# Altium PCB PCB1.pcbdoc (part 2 of 3) (continued)
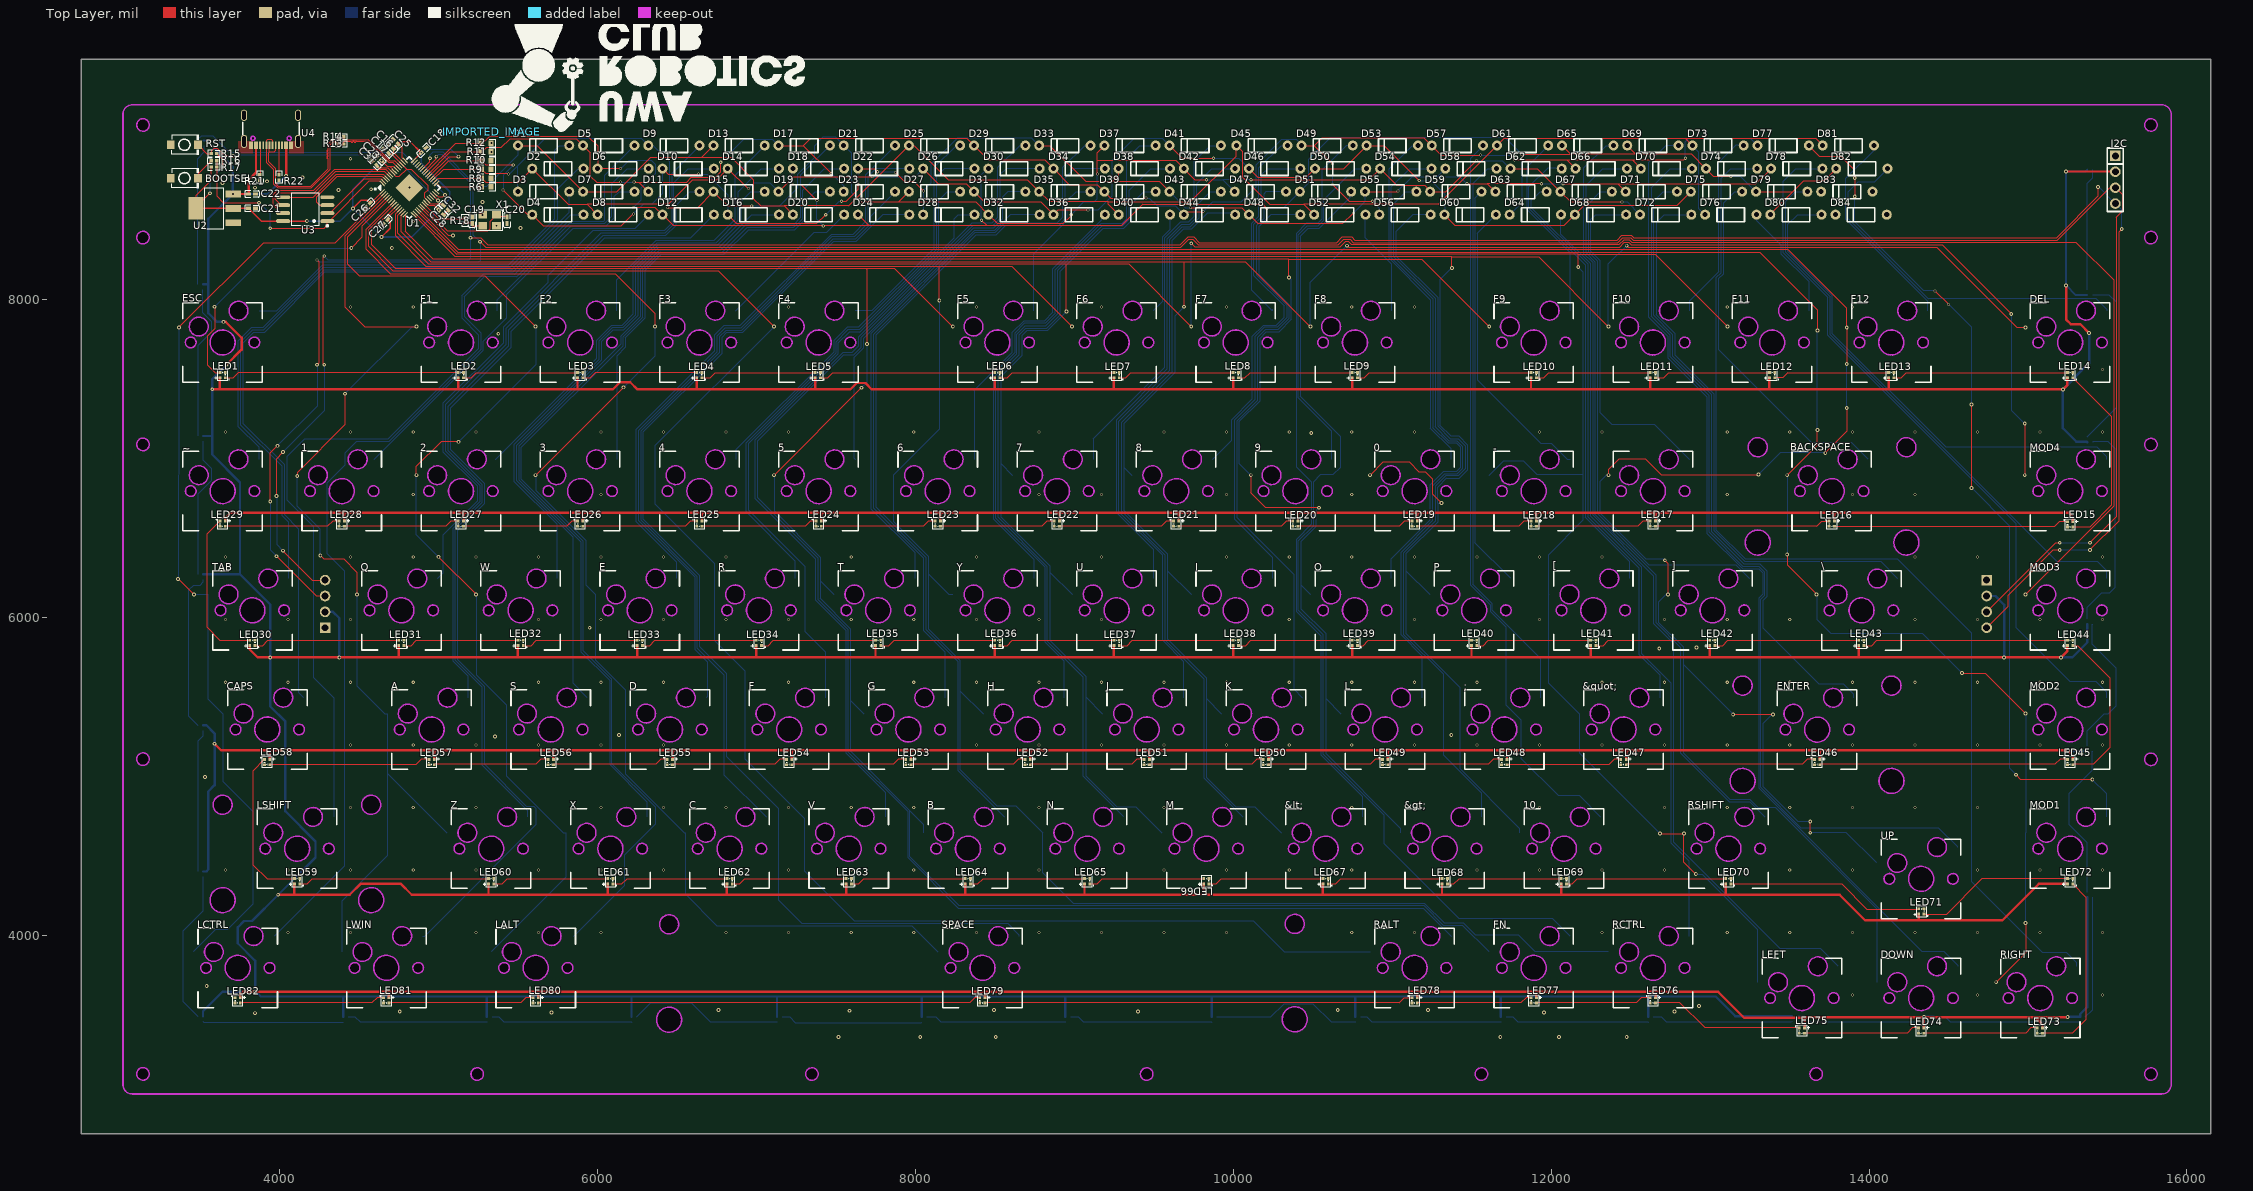
[diagram p0: Top Layer view]
## Nets (pads, with @x,y where several pads share a name; then routed paths per layer and width w, separated by ;. In a path a pad name is that pad's centre, name@x,y a point inside that pad or via, vN(x,y) a via of type N, cw(c..) or ccw(c..) an arc to the next point about the centre after c; other vN are vias at no path point) (continued)
$1N385826: D74.2 SW81.2 | length 6810.5
  Bottom Layer w5: D74.2@13296.42,8822.79 13130,8822.79 13070,8762.79 13070,8167.79 13040,8137.79 13040,6548.73 13225,6363.73 14180,6363.73 14645,5898.73 14645,4336.5 15092.77,3888.73 15245,3888.73 15307.23,3826.51 SW81.2@15307.23,3803.73
$3N114977: LED1.1 LED2.4 | length 1480.4
  Top Layer w5: LED1.1@3656.73,7507.01 3708.28,7507.01 3740,7538.73 5121.54,7538.73 LED2.4@5123.27,7540.46
$3N114980: LED2.1 LED3.4 | length 730.4
  Top Layer w5: LED2.1@5156.73,7507.01 5203.28,7507.01 5235,7538.73 5871.54,7538.73 LED3.4@5873.27,7540.46
$3N114983: LED3.1 LED4.4 | length 730.4
  Top Layer w5: LED3.1@5906.73,7507.01 5953.28,7507.01 5985,7538.73 6621.54,7538.73 LED4.4@6623.27,7540.46
$3N114986: LED4.1 LED5.4 | length 725.4
  Top Layer w5: LED4.1@6656.73,7507.01 6708.28,7507.01 6740,7538.73 7366.54,7538.73 LED5.4@7368.27,7540.46
$3N114989: LED5.1 LED6.4 | length 1110.4
  Top Layer w5: LED5.1@7401.73,7507.01 7448.28,7507.01 7480,7538.73 8496.54,7538.73 LED6.4@8498.27,7540.46
$3N114992: LED6.1 LED7.4 | length 730.4
  Top Layer w5: LED6.1@8531.73,7507.01 8578.28,7507.01 8610,7538.73 9246.54,7538.73 LED7.4@9248.27,7540.46
$3N114995: LED7.1 LED8.4 | length 730.4
  Top Layer w5: LED7.1@9281.73,7507.01 9323.28,7507.01 9355,7538.73 9996.54,7538.73 LED8.4@9998.27,7540.46
$3N114998: LED8.1 LED9.4 | length 730.4
  Top Layer w5: LED8.1@10031.73,7507.01 10073.28,7507.01 10105,7538.73 10746.54,7538.73 LED9.4@10748.27,7540.46
$3N115509: LED10.1 LED11.4 | length 730.4
  Top Layer w5: LED10.1@11906.73,7507.01 11953.28,7507.01 11985,7538.73 12621.54,7538.73 LED11.4@12623.27,7540.46
$3N115511: LED11.1 LED12.4 | length 730.4
  Top Layer w5: LED11.1@12656.73,7507.01 12708.28,7507.01 12740,7538.73 13371.54,7538.73 LED12.4@13373.27,7540.46
$3N115513: LED12.1 LED13.4 | length 730.4
  Top Layer w5: LED12.1@13406.73,7507.01 13458.28,7507.01 13490,7538.73 14121.54,7538.73 LED13.4@14123.27,7540.46
$3N115515: LED13.1 LED14.4 | length 1105.4
  Top Layer w5: LED13.1@14156.73,7507.01 14203.28,7507.01 14235,7538.73 15246.54,7538.73 LED14.4@15248.27,7540.46
$3N115517: LED14.1 LED15.4 | length 1204
  Top Layer w5: LED15.4@15281.73,6567 15388.27,6567 15525,6703.73 15525,7263.74 LED14.1@15281.73,7507.01
$3N115519: LED15.1 LED16.4 | length 1481
  Top Layer w5: LED16.4@13781.73,6572 13785,6568.73 15165,6568.73 15196.72,6600.45 LED15.1@15248.27,6600.45
$3N115521: LED16.1 LED17.4 | length 1105.4
  Top Layer w5: LED17.4@12656.73,6572 12658.46,6573.73 13670,6573.73 13701.72,6605.45 LED16.1@13748.27,6605.45
$3N115523: LED17.1 LED18.4 | length 730.4
  Top Layer w5: LED18.4@11906.73,6572 11908.46,6573.73 12545,6573.73 12576.72,6605.45 LED17.1@12623.27,6605.45
$3N115525: LED18.1 LED19.4 | length 730.4
  Top Layer w5: LED19.4@11156.73,6572 11158.46,6573.73 11795,6573.73 11826.72,6605.45 LED18.1@11873.27,6605.45
$3N116527: LED20.1 LED21.4 | length 730.4
  Top Layer w5: LED21.4@9656.73,6572 9658.46,6573.73 10300,6573.73 10331.72,6605.45 LED20.1@10373.27,6605.45
$3N116529: LED21.1 LED22.4 | length 730.4
  Top Layer w5: LED22.4@8906.73,6572 8908.46,6573.73 9545,6573.73 9576.72,6605.45 LED21.1@9623.27,6605.45
$3N116531: LED22.1 LED23.4 | length 730.4
  Top Layer w5: LED23.4@8156.73,6572 8158.46,6573.73 8795,6573.73 8826.72,6605.45 LED22.1@8873.27,6605.45
$3N116533: LED23.1 LED24.4 | length 730.4
  Top Layer w5: LED24.4@7406.73,6572 7408.46,6573.73 8050,6573.73 8081.72,6605.45 LED23.1@8123.27,6605.45
$3N116535: LED24.1 LED25.4 | length 730.4
  Top Layer w5: LED25.4@6656.73,6572 6658.46,6573.73 7305,6573.73 7336.72,6605.45 LED24.1@7373.27,6605.45
$3N116537: LED25.1 LED26.4 | length 730.4
  Top Layer w5: LED26.4@5906.73,6572 5908.46,6573.73 6550,6573.73 6581.72,6605.45 LED25.1@6623.27,6605.45
$3N116539: LED26.1 LED27.4 | length 730.4
  Top Layer w5: LED27.4@5156.73,6572 5158.46,6573.73 5805,6573.73 5836.72,6605.45 LED26.1@5873.27,6605.45
$3N116541: LED27.1 LED28.4 | length 730.4
  Top Layer w5: LED28.4@4406.73,6572 4408.46,6573.73 5045,6573.73 5076.72,6605.45 LED27.1@5123.27,6605.45
$3N116543: LED28.1 LED29.4 | length 730.4
  Top Layer w5: LED29.4@3656.73,6572 3658.46,6573.73 4300,6573.73 4331.72,6605.45 LED28.1@4373.27,6605.45
$3N116567: LED30.1 LED31.4 | length 917.7
  Top Layer w5: LED30.1@3844.42,5822.01 3893.28,5822.01 3925,5853.73 4746.54,5853.73 LED31.4@4748.27,5855.46
$3N116569: LED31.1 LED32.4 | length 730.4
  Top Layer w5: LED31.1@4781.73,5822.01 4828.28,5822.01 4860,5853.73 5496.54,5853.73 LED32.4@5498.27,5855.46
$3N116571: LED32.1 LED33.4 | length 730.4
  Top Layer w5: LED32.1@5531.73,5822.01 5583.28,5822.01 5615,5853.73 6246.54,5853.73 LED33.4@6248.27,5855.46
$3N116573: LED33.1 LED34.4 | length 730.4
  Top Layer w5: LED33.1@6281.73,5822.01 6328.28,5822.01 6360,5853.73 6996.54,5853.73 LED34.4@6998.27,5855.46
$3N116575: LED34.1 LED35.4 | length 730.4
  Top Layer w5: LED34.1@7031.73,5822.01 7073.28,5822.01 7105,5853.73 7746.54,5853.73 LED35.4@7748.27,5855.46
$3N116577: LED35.1 LED36.4 | length 730.4
  Top Layer w5: LED35.1@7781.73,5822.01 7833.28,5822.01 7865,5853.73 8496.54,5853.73 LED36.4@8498.27,5855.46
$3N116579: LED36.1 LED37.4 | length 730.4
  Top Layer w5: LED36.1@8531.73,5822.01 8578.28,5822.01 8610,5853.73 9246.54,5853.73 LED37.4@9248.27,5855.46
$3N116581: LED37.1 LED38.4 | length 730.4
  Top Layer w5: LED37.1@9281.73,5822.01 9333.28,5822.01 9365,5853.73 9996.54,5853.73 LED38.4@9998.27,5855.46
$3N116583: LED38.1 LED39.4 | length 730.4
  Top Layer w5: LED38.1@10031.73,5822.01 10078.28,5822.01 10110,5853.73 10746.54,5853.73 LED39.4@10748.27,5855.46
$3N118563: LED40.1 LED41.4 | length 730.4
  Top Layer w5: LED40.1@11531.73,5822.01 11573.28,5822.01 11605,5853.73 12246.54,5853.73 LED41.4@12248.27,5855.46
$3N118565: LED41.1 LED42.4 | length 730.4
  Top Layer w5: LED41.1@12281.73,5822.01 12328.28,5822.01 12360,5853.73 12996.54,5853.73 LED42.4@12998.27,5855.46
$3N118567: LED42.1 LED43.4 | length 917.3
  Top Layer w5: LED42.1@13031.73,5822.01 13078.28,5822.01 13110,5853.73 13933.48,5853.73 LED43.4@13935.21,5855.46
$3N118569: LED43.1 LED44.4 | length 1293.5
  Top Layer w5: LED43.1@13968.67,5822.01 14018.28,5822.01 14050,5853.73 15246.54,5853.73 LED44.4@15248.27,5855.46
$3N118571: LED44.1 LED45.4 | length 1035
  Top Layer w5: LED45.4@15281.73,5072 15283.46,5073.73 15410,5073.73 15515,5178.73 15515,5618.73 15311.72,5822.01 LED44.1@15281.73,5822.01
$3N118573: LED45.1 LED46.4 | length 1571.7
  Top Layer w5: LED46.4@13690.41,5072 13692.14,5073.73 15170,5073.73 15201.72,5105.45 LED45.1@15248.27,5105.45
$3N118575: LED46.1 LED47.4 | length 1199.1
  Top Layer w5: LED47.4@12471.73,5072 12473.46,5073.73 13580,5073.73 13611.72,5105.45 LED46.1@13656.95,5105.45
$3N118577: LED47.1 LED48.4 | length 730.4
  Top Layer w5: LED48.4@11721.73,5072 12363.27,5072 12396.72,5105.45 LED47.1@12438.27,5105.45
$3N118579: LED48.1 LED49.4 | length 730.4
  Top Layer w5: LED49.4@10971.73,5072 10973.46,5073.73 11605,5073.73 11636.72,5105.45 LED48.1@11688.27,5105.45
$3N118603: LED50.1 LED51.4 | length 730.4
  Top Layer w5: LED51.4@9471.73,5072 9473.46,5073.73 10115,5073.73 10146.72,5105.45 LED50.1@10188.27,5105.45
$3N118605: LED51.1 LED52.4 | length 730.4
  Top Layer w5: LED52.4@8721.73,5072 8723.46,5073.73 9360,5073.73 9391.72,5105.45 LED51.1@9438.27,5105.45
$3N118607: LED52.1 LED53.4 | length 730.4
  Top Layer w5: LED53.4@7971.73,5072 7973.46,5073.73 8615,5073.73 8646.72,5105.45 LED52.1@8688.27,5105.45
$3N118609: LED53.1 LED54.4 | length 730.4
  Top Layer w5: LED54.4@7221.73,5072 7223.46,5073.73 7860,5073.73 7891.72,5105.45 LED53.1@7938.27,5105.45
$3N118611: LED54.1 LED55.4 | length 730.4
  Top Layer w5: LED55.4@6471.73,5072 6473.46,5073.73 7115,5073.73 7146.72,5105.45 LED54.1@7188.27,5105.45
$3N118613: LED55.1 LED56.4 | length 730.4
  Top Layer w5: LED56.4@5721.73,5072 5723.46,5073.73 6365,5073.73 6396.72,5105.45 LED55.1@6438.27,5105.45
$3N118615: LED56.1 LED57.4 | length 730.4
  Top Layer w5: LED57.4@4971.73,5072 4973.46,5073.73 5610,5073.73 5641.72,5105.45 LED56.1@5688.27,5105.45
$3N118617: LED57.1 LED58.4 | length 1015.4
  Top Layer w5: LED58.4@3936.73,5072 3938.46,5073.73 4860,5073.73 4891.72,5105.45 LED57.1@4938.27,5105.45
$3N118619: LED58.1 LED59.4 | length 992
  Top Layer w5: LED58.1@3903.27,5105.45 3830,5032.18 3830,4443.73 3920,4353.73 4090.22,4353.73 LED59.4@4091.95,4355.46
$3N118643: LED60.1 LED61.4 | length 730.4
  Top Layer w5: LED60.1@5346.73,4322.01 5398.28,4322.01 5430,4353.73 6061.54,4353.73 LED61.4@6063.27,4355.46
$3N118645: LED61.1 LED62.4 | length 730.4
  Top Layer w5: LED61.1@6096.73,4322.01 6153.28,4322.01 6185,4353.73 6811.54,4353.73 LED62.4@6813.27,4355.46
$3N118647: LED62.1 LED63.4 | length 730.4
  Top Layer w5: LED62.1@6846.73,4322.01 6893.28,4322.01 6925,4353.73 7561.54,4353.73 LED63.4@7563.27,4355.46
$3N118649: LED63.1 LED64.4 | length 730.4
  Top Layer w5: LED63.1@7596.73,4322.01 7643.28,4322.01 7675,4353.73 8311.54,4353.73 LED64.4@8313.27,4355.46
$3N118651: LED64.1 LED65.4 | length 730.4
  Top Layer w5: LED64.1@8346.73,4322.01 8393.28,4322.01 8425,4353.73 9061.54,4353.73 LED65.4@9063.27,4355.46
$3N118653: LED65.1 LED66.4 | length 730.4
  Top Layer w5: LED65.1@9096.73,4322.01 9143.28,4322.01 9175,4353.73 9811.54,4353.73 LED66.4@9813.27,4355.46
$3N118655: LED66.1 LED67.4 | length 730.4
  Top Layer w5: LED66.1@9846.73,4322.01 9893.28,4322.01 9925,4353.73 10561.54,4353.73 LED67.4@10563.27,4355.46
$3N118657: LED67.1 LED68.4 | length 730.4
  Top Layer w5: LED67.1@10596.73,4322.01 10643.28,4322.01 10675,4353.73 11311.54,4353.73 LED68.4@11313.27,4355.46
$3N118659: LED68.1 LED69.4 | length 730.4
  Top Layer w5: LED68.1@11346.73,4322.01 11388.28,4322.01 11420,4353.73 12061.54,4353.73 LED69.4@12063.27,4355.46
$3N118683: LED70.1 LED71.4 | length 1247.8
  Top Layer w5: LED70.1@13131.73,4322.01 13826.72,4322.01 13985,4163.73 14311.54,4163.73 LED71.4@14313.27,4165.46
$3N118685: LED71.1 LED72.4 | length 994.1
  Top Layer w5: LED71.1@14346.73,4132.01 14488.28,4132.01 14710,4353.73 15246.54,4353.73 LED72.4@15248.27,4355.46
$3N118687: LED72.1 LED73.4 | length 1197
  Top Layer w5: LED73.4@15091.73,3382 15093.46,3383.73 15280,3383.73 15365,3468.73 15365,4238.74 LED72.1@15281.73,4322.01
$3N118689: LED73.1 LED74.4 | length 727.9
  Top Layer w5: LED74.4@14344.27,3382 14346,3383.73 14985,3383.73 15016.72,3415.45 LED73.1@15058.27,3415.45
$3N118691: LED74.1 LED75.4 | length 730.2
  Top Layer w5: LED75.4@13594.44,3382 13596.17,3383.73 14240,3383.73 14271.72,3415.45 LED74.1@14310.81,3415.45
$3N118693: LED75.1 LED76.4 | length 970.5
  Top Layer w5: LED76.4@12656.73,3572 12658.46,3573.73 12810,3573.73 12968.28,3415.45 LED75.1@13560.98,3415.45
$3N118695: LED76.1 LED77.4 | length 730.4
  Top Layer w5: LED77.4@11906.73,3572 11908.46,3573.73 12535,3573.73 12566.72,3605.45 LED76.1@12623.27,3605.45
$3N118697: LED77.1 LED78.4 | length 730.4
  Top Layer w5: LED78.4@11156.73,3572 11158.46,3573.73 11810,3573.73 11841.72,3605.45 LED77.1@11873.27,3605.45
$3N118699: LED78.1 LED79.4 | length 2699.1
  Top Layer w5: LED79.4@8437.98,3572 8439.71,3573.73 11045,3573.73 11076.72,3605.45 LED78.1@11123.27,3605.45
$3N118824: LED80.1 LED81.4 | length 920.4
  Top Layer w5: LED81.4@4686.73,3572 4688.46,3573.73 5515,3573.73 5546.72,3605.45 LED80.1@5593.27,3605.45
$3N118847: LED9.1 LED10.4 | length 1105.4
  Top Layer w5: LED9.1@10781.73,7507.01 10823.28,7507.01 10855,7538.73 11871.54,7538.73 LED10.4@11873.27,7540.46
$3N118859: LED19.1 LED20.4 | length 730.4
  Top Layer w5: LED20.4@10406.73,6572 10408.46,6573.73 11045,6573.73 11076.72,6605.45 LED19.1@11123.27,6605.45
$3N118871: LED29.1 LED30.4 | length 1006.7
  Top Layer w5: LED29.1@3623.27,6605.45 3540,6522.18 3540,5938.73 3623.27,5855.46 LED30.4@3810.96,5855.46
$3N118883: LED39.1 LED40.4 | length 730.4
  Top Layer w5: LED39.1@10781.73,5822.01 10818.28,5822.01 10850,5853.73 11496.54,5853.73 LED40.4@11498.27,5855.46
$3N118895: LED49.1 LED50.4 | length 730.4
  Top Layer w5: LED50.4@10221.73,5072 10223.46,5073.73 10860,5073.73 10891.72,5105.45 LED49.1@10938.27,5105.45
$3N118907: LED59.1 LED60.4 | length 1201.7
  Top Layer w5: LED59.1@4125.41,4322.01 4173.28,4322.01 4205,4353.73 5311.54,4353.73 LED60.4@5313.27,4355.46
$3N118919: LED69.1 LED70.4 | length 1015.4
  Top Layer w5: LED69.1@12096.73,4322.01 12133.28,4322.01 12165,4353.73 13096.54,4353.73 LED70.4@13098.27,4355.46
$3N118931: LED79.1 LED80.4 | length 2791.6
  Top Layer w5: LED80.4@5626.73,3572 5628.46,3573.73 8340,3573.73 8371.72,3605.45 LED79.1@8404.52,3605.45
$3N124660: LED81.1 LED82.4 | length 915.4
  Top Layer w5: LED82.4@3751.73,3572 3753.46,3573.73 4580,3573.73 4611.72,3605.45 LED81.1@4653.27,3605.45
$3N125947: LED83.1 LED84.4 | length 886.5
  Bottom Layer w5: LED84.4@3483.27,8095.46 3483.27,8886.06 3521.72,8924.51 LED83.1@3521.72,8966.06
$3N125948: LED84.1 LED85.4 | length 979.5
  Bottom Layer w5: LED85.4@3483.27,7140.46 3485,7142.19 3485,7708.73 3570,7793.73 3570,7863.73 3516.72,7917.01 LED84.1@3516.72,8062
$3N125949: LED85.1 LED86.4 | length 894.5
  Bottom Layer w5: LED86.4@3483.27,6270.46 3485,6272.19 3485,6773.73 3570,6858.73 3570,6938.73 3516.72,6992.01 LED85.1@3516.72,7107
$3N125950: LED86.1 LED87.4 | length 1002.1
  Bottom Layer w5: LED87.4@3483.27,5320.46 3425,5378.73 3425,6168.73 3455,6198.73 3495,6198.73 3516.72,6220.45 LED86.1@3516.72,6237
$3N125951: LED87.1 LED88.4 | length 900.4
  Bottom Layer w5: LED88.4@3483.27,4400.46 3485,4402.19 3485,5218.73 3516.72,5250.45 LED87.1@3516.72,5287
$3N125952: LED88.1 LED89.4 | length 967.7
  Bottom Layer w5: LED89.4@3483.27,3490.46 3390,3583.73 3390,4023.73 3516.72,4150.45 LED88.1@3516.72,4367
$3N125953: LED89.1 LED90.4 | length 883.6
  Bottom Layer w5: LED89.1@3516.72,3457 3521.72,3452 LED90.4@4398.27,3452
$3N125954: LED90.1 LED91.4 | length 885.4
  Bottom Layer w5: LED90.1@4431.73,3485.45 4473.28,3485.45 4505,3453.73 5301.54,3453.73 LED91.4@5303.27,3452
$3N125955: LED91.1 LED92.4 | length 890.4
  Bottom Layer w5: LED91.1@5336.73,3485.45 5378.28,3485.45 5410,3453.73 6211.54,3453.73 LED92.4@6213.27,3452
$3N125958: LED93.1 LED94.4 | length 893.1
  Bottom Layer w5: LED93.1@7161.73,3485.45 7208.28,3485.45 7245,3448.73 8035,3448.73 LED94.4@8038.27,3452
$3N125959: LED94.1 LED95.4 | length 885.4
  Bottom Layer w5: LED94.1@8071.73,3485.45 8128.28,3485.45 8160,3453.73 8941.54,3453.73 LED95.4@8943.27,3452
$3N125960: LED95.1 LED96.4 | length 900.4
  Bottom Layer w5: LED95.1@8976.73,3485.45 9023.28,3485.45 9055,3453.73 9861.54,3453.73 LED96.4@9863.27,3452
$3N125961: LED96.1 LED97.4 | length 954.4
  Bottom Layer w5: LED96.1@9896.73,3485.45 10236.72,3485.45 10320,3568.73 10500,3568.73 10615,3453.73 10766.54,3453.73 LED97.4@10768.27,3452
$3N125962: LED97.1 LED98.4 | length 895.4
  Bottom Layer w5: LED97.1@10801.73,3485.45 10838.28,3485.45 10870,3453.73 11681.54,3453.73 LED98.4@11683.27,3452
$3N125963: LED98.1 LED99.4 | length 907.4
  Bottom Layer w5: LED98.1@11716.73,3485.45 11758.28,3485.45 11790,3453.73 12608.52,3453.73 LED99.4@12610.26,3452
$3N125964: LED99.1 LED100.4 | length 886
  Bottom Layer w5: LED99.1@12643.72,3485.45 12693.28,3485.45 12725,3453.73 13511.99,3453.73 LED100.4@13515.26,3457
$3N125965: LED100.1 LED101.4 | length 873.5
  Bottom Layer w5: LED100.1@13548.72,3490.45 13593.28,3490.45 13630,3453.73 14404.56,3453.73 LED101.4@14406.28,3452.01
$3N125966: LED101.1 LED102.4 | length 902.4
  Bottom Layer w5: LED101.1@14439.74,3485.46 14478.28,3485.46 14510,3453.73 15326.54,3453.73 LED102.4@15328.27,3452
$3N125969: LED103.1 LED104.4 | length 994.2
  Bottom Layer w5: LED103.1@15373.28,4270.46 15373.28,4580.45 15260,4693.73 15260,4893.73 15405,5038.73 15405,5155.27 LED104.4@15406.73,5157
$3N125970: LED104.1 LED105.4 | length 919.3
  Bottom Layer w5: LED104.1@15373.28,5190.46 15373.28,5287.01 15480,5393.73 15505,5393.73 15555,5443.73 15555,5678.73 15405,5828.73 15405,5955.27 LED105.4@15406.73,5957
$3N125971: LED105.1 LED106.4 | length 1333.4
  Bottom Layer w5: LED105.1@15373.28,5990.46 15373.28,6062.01 15465,6153.73 15515,6153.73 15550,6188.73 15550,7058.73 15505,7103.73 15408.46,7103.73 LED106.4@15406.73,7102
$3N125972: LED106.1 LED107.4 | length 1089.7
  Bottom Layer w5: LED106.1@15373.28,7135.46 15555,7317.18 15555,7983.73 15511.73,8027 LED107.4@15406.73,8027
$3N125973: LED107.1 LED108.4 | length 770.4
  Bottom Layer w5: LED107.1@15373.28,8060.46 15373.28,8732.01 15406.73,8765.46 LED108.4@15406.73,8817
$3N125975: LED92.1 LED93.4 | length 968.5
  Bottom Layer w5: LED92.1@6246.73,3485.45 6335.01,3573.73 6590,3573.73 6710,3453.73 7126.54,3453.73 LED93.4@7128.27,3452
$3N125976: LED102.1 LED103.4 | length 770.2
  Bottom Layer w5: LED102.1@15361.73,3485.45 15406.73,3530.45 LED103.4@15406.73,4237
+1.1V: C17.2 C31.2 C32.2 U1.23 U1.45 U1.50 | length 788.4
  Top Layer w5: C31.2@4610.17,8842.61 4624.02,8828.77 4677.87,8828.77 U1.50@4710.6,8796.04 4733.86,8772.79 4750,8772.79 4797.61,8820.39 ; C17.2@4685.17,8917.61 4700.39,8917.61 U1.45@4766.28,8851.72 4797.61,8820.39 ; C32.2@5029.83,8592.96 5022.73,8600.06 4951.13,8600.06 U1.23@4930.53,8620.66 4910,8641.19 4910,8667.79 4930,8687.79 4930,8717.79 4827.39,8820.39 4797.61,8820.39
+3.3V: C16.1 C18.1 C21.2 C23.2 C25.2 C26.2 C27.2 C28.2 R15.1 R17.2 U1.1 U1.10 U1.22 U1.33 U1.42 U1.43 U1.44 U1.48 U1.49 U2.2 U2.4 U3.8 | length 5047.1
  Top Layer w5: U2.4@3473.07,8572.79 U2.4@3473.07,8580.86 ; v2(3560,8667.79) U2.4@3473.07,8580.86 ; R17.2@3567.96,8832.79 3567.96,8750.75 3473.07,8655.86 U2.4@3473.07,8580.86 ; R15.1@3602.04,8917.79 3640,8879.83 v2(3640,8832.79) ; C26.2@4570.17,8607.96 4575.42,8607.96 U1.1@4643.79,8676.34 ; C23.2@4645.17,8867.61 4675,8837.79 4691.13,8837.79 ; C27.2@4680.17,8502.96 4680.17,8512.29 U1.10@4744.01,8576.12 ; C16.1@4715.17,8947.61 4715.17,8925.1 U1.44@4777.42,8862.86 ; U1.49@4721.74,8807.18 4691.13,8837.79 ; U1.48@4732.88,8818.32 4713.4,8837.79 4691.13,8837.79 ; C25.2@4745.17,8977.61 4770,8952.79 4770,8892.55 U1.43@4788.55,8873.99 ; U1.42@4841.45,8874.24 v2(4890,8922.79) ; U1.22@4919.4,8609.52 4939.99,8588.93 4973.86,8588.93 C28.2@4999.83,8562.96 ; U1.33@4941.67,8773.78 5065.68,8897.79 v2(5125,8897.79)
  Top Layer w10: U2.4@3473.07,8572.79 U2.2@3706.93,8572.79 C21.2@3803.54,8572.79 3883.54,8492.79 U3.8@4021.02,8492.79 v2(4170,8492.79) ; v2(4460,8572.79) 4510,8622.79 4555.35,8622.79 C26.2@4570.17,8607.96 ; v2(4640,8392.79) 4695,8447.79 4695,8487.79 4680.17,8502.61 C27.2@4680.17,8502.96 ; v2(4640,8872.79) C23.2@4640.17,8872.61 ; C16.1@4715.17,8947.61 4715.17,8947.96 C25.2@4745.17,8977.96 ; C25.2@4745.17,8977.61 C25.2@4745.17,8977.96 ; v2(4890,8922.79) 4820,8992.79 4760,8992.79 C25.2@4745.17,8977.96 ; C28.2@4999.83,8562.96 v2(5000,8562.79)
  Bottom Layer w5: v2(3560,8667.79) 3560,8752.79 v2(3640,8832.79) ; v2(4890,8922.79) 4910,8942.79 5080,8942.79 v2(5125,8897.79)
  Bottom Layer w10: v2(4170,8492.79) 4380,8492.79 v2(4460,8572.79) ; v2(4640,8872.79) 4460,8692.79 v2(4460,8572.79) ; v2(4890,8922.79) 4890,8857.79 5070,8677.79 5070,8632.79 v2(5000,8562.79) 4830,8392.79 v2(4640,8392.79) v2(4460,8572.79)
C1: SW1.1 SW2.1 SW15.1 SW29.1 SW56.1 SW70.1 U1.2 | length 6022.9
  Top Layer w5: v2(3360.08,6241.32) 3457.67,6143.73 v2(3460,6143.73) ; v2(3365,7823.73) 3899.06,8357.79 4347.51,8357.79 U1.2@4654.93,8665.2
  Bottom Layer w5: v2(3360.08,6241.32) SW15.1@3360.08,6893.73 3365,6898.65 v2(3365,7823.73) SW2.1@3360.08,7828.73 ; SW70.1@3455.08,3893.73 3595.08,4033.73 3670,4033.73 3828.74,4192.48 SW56.1@3828.74,4643.73 3828.74,4779.99 3641.58,4967.16 SW1.1@3641.58,5393.73 3547.48,5487.83 SW29.1@3547.48,6143.73 v2(3460,6143.73)
C2: SW3.1 SW16.1 SW30.1 SW43.1 SW57.1 SW71.1 U1.3 | length 6540
  Top Layer w5: v2(4110,6888.73) 4110,6910.06 4410,7210.06 v2(4410,7406.08) ; v2(4255,6388.73) 4280,6363.73 4405,6363.73 4485,6283.73 v2(4485,6143.73) ; U1.3@4666.06,8654.06 4410,8398 4410,7953.73 4535,7828.73 v2(4860.49,7828.73)
  Bottom Layer w5: SW16.1@4110.08,6893.73 4110.08,6698.65 4255,6553.73 v2(4255,6388.73) ; SW71.1@4390.08,3893.73 4390,3893.81 4390,4213.73 4675.08,4498.81 4675.08,5018.73 ; v2(4410,7406.08) 4832.65,7828.73 SW3.1@4860.08,7828.73 ; v2(4485,6143.73) 4485,5568.73 4660,5393.73 SW43.1@4675.08,5393.73 4675.08,5018.73 ; SW57.1@5050.08,4643.73 4675.08,5018.73
C3: SW4.1 SW17.1 SW31.1 SW44.1 SW58.1 SW72.1 U1.4 | length 6775.8
  Top Layer w5: U1.4@4677.2,8642.93 4425,8390.73 4425,8222.79 4500,8147.79 5290.94,8147.79 v2(5610,7828.73) ; v2(4860,6893.73) 4860,6948.73 5015,7103.73 v2(5125,7103.73) ; v2(4998.55,6380.18) v2(5235,6143.73)
  Bottom Layer w5: SW17.1@4860.08,6893.73 4860.08,6518.65 v2(4998.55,6380.18) ; v2(5125,7103.73) 5610,7588.73 v2(5610,7828.73) ; v2(5235,6143.73) 5235,5638.73 5425.08,5448.65 SW44.1@5425.08,5393.73 5425.08,5003.65 5785,4643.73 SW58.1@5800.08,4643.73 5800.08,4363.73 SW72.1@5330.08,3893.73
C4: SW5.1 SW18.1 SW32.1 SW45.1 SW59.1 SW73.1 U1.7 | length 8450.2
  Top Layer w5: U1.7@4710.6,8609.52 4540,8438.92 4540,8317.79 4695,8162.79 6110.94,8162.79 6360,7913.73 v2(6360,7828.73) ; v2(5610,6893.73) v2(6162.88,7446.61)
  Bottom Layer w5: v2(5610,6893.73) 5610,6798.73 5925,6483.73 5925,6203.81 SW32.1@5985.08,6143.73 5985.08,5733.65 6175.08,5543.65 SW45.1@6175.08,5393.73 6175.08,5013.65 6545,4643.73 SW59.1@6550.08,4643.73 6550.08,4258.65 6750,4058.73 7976.28,4058.73 SW73.1@8141.28,3893.73 ; v2(6162.88,7446.61) 6360,7643.73 v2(6360,7828.73)
C5: SW6.1 SW19.1 SW33.1 SW46.1 SW60.1 SW74.1 U1.8 | length 10987.9
  Top Layer w5: U1.8@4721.74,8598.38 4560,8436.64 4560,8332.79 4715,8177.79 6760.94,8177.79 v2(7110,7828.73)
  Bottom Layer w5: SW46.1@6925.08,5393.73 SW46.1@6925,5393.81 ; v2(7110,7828.73) 6360.08,7078.81 SW19.1@6360.08,6893.73 6360.08,6713.65 6735.08,6338.65 SW33.1@6735.08,6143.73 6735.08,5853.65 6925,5663.73 SW46.1@6925,5393.81 ; SW60.1@7300.08,4643.73 SW60.1@7300,4643.81 ; SW74.1@10860.08,3893.73 10320,3893.73 10125,4088.73 7615,4088.73 7300,4403.73 SW60.1@7300,4643.81 ; SW46.1@6925,5393.81 6925,5108.73 7300,4733.73 SW60.1@7300,4643.81
C6: SW7.1 SW20.1 SW34.1 SW47.1 SW61.1 SW75.1 U1.9 | length 12782.8
  Top Layer w5: U1.9@4732.88,8587.25 4580,8434.37 4580,8342.79 4730,8192.79 7690,8192.79 ; v2(7110,6893.73) v2(7660,7443.73) ; v2(7695,7718.73) 7695,8187.79 7690,8192.79 ; v2(8235,7828.73) 7870.94,8192.79 7690,8192.79
  Bottom Layer w5: v2(7110,6893.73) 7110,6668.73 7400,6378.73 7400,6228.81 ; SW34.1@7485.08,6143.73 7400,6228.81 ; v2(7660,7443.73) 7695,7478.73 v2(7695,7718.73) ; SW47.1@7675.08,5393.73 7590,5478.81 ; SW61.1@8050.08,4643.73 8050.08,4698.65 7965,4783.73 ; SW75.1@11610.08,3893.73 11445.08,4058.73 11325,4058.73 11200,4183.73 8275,4183.73 7965,4493.73 7965,4783.73 ; 7400,6228.81 7400,6118.73 7590,5928.73 7590,5478.81 ; 7590,5478.81 7590,5158.73 7965,4783.73
C7: SW8.1 SW21.1 SW35.1 SW48.1 SW62.1 SW76.1 U1.11 | length 13247.7
  Top Layer w5: U1.11@4755.14,8564.98 4725,8534.84 4725,8402.79 4920,8207.79 8149.86,8207.79 ; v2(8150,7993.73) 8150,8207.65 8149.86,8207.79 ; v2(8985,7828.73) 8605.94,8207.79 8149.86,8207.79
  Bottom Layer w5: v2(8150,7993.73) 8150,7183.65 SW21.1@7860.08,6893.73 7860.08,6603.65 8080,6383.73 8080,6273.73 ; SW35.1@8235.08,6143.73 8210,6143.73 8080,6273.73 ; SW48.1@8425.08,5393.73 8280,5538.81 ; SW76.1@12360.08,3893.73 11900,3893.73 11795,3998.73 11525,3998.73 11450,4073.73 11330,4073.73 11205,4198.73 8995,4198.73 8800,4393.73 8800,4643.65 SW62.1@8800.08,4643.73 8630.08,4813.73 8510,4813.73 8280,5043.73 8280,5538.81 ; 8080,6273.73 8080,5928.73 8280,5728.73 8280,5538.81
C8: SW9.1 SW22.1 SW36.1 SW49.1 SW63.1 SW77.1 U1.12 | length 18844
  Top Layer w5: U1.12@4766.28,8553.84 4740,8527.56 4740,8417.79 4935,8222.79 8949.63,8222.79 ; v2(8950,7923.73) 8950,8222.42 8949.63,8222.79 ; v2(9735,7828.73) 9340.94,8222.79 8949.63,8222.79 ; v2(9735,8352.79) 9760,8327.79 10670,8327.79 10705,8362.79 10725,8362.79 10745,8342.79 12425,8342.79 12455,8372.79 12495,8372.79 12510,8357.79 15305,8357.79 15540,8122.79 15540,6698.65 v2(14985.08,6143.73)
  Bottom Layer w5: SW22.1@8610.08,6893.73 8535,6968.81 ; v2(8950,7923.73) 8830,7803.73 8700,7803.73 8667.2,7770.93 8667.2,7645.93 8535,7513.73 8535,6968.81 ; SW36.1@8985.08,6143.73 8845,6283.81 ; SW49.1@9175.08,5393.73 9070,5498.81 ; SW63.1@9550.08,4643.73 9385.08,4808.73 9265,4808.73 9070,5003.73 9070,5498.81 ; v2(9735,8352.79) 9735,7828.81 SW9.1@9735.08,7828.73 ; 8535,6968.81 8535,6633.73 8845,6323.73 8845,6283.81 ; 8845,6283.81 8845,5853.73 9070,5628.73 9070,5498.81
C9: SW10.1 SW23.1 SW37.1 SW50.1 SW64.1 SW78.1 U1.13 | length 16787.2
  Top Layer w5: U1.13@4777.42,8542.71 4760,8525.29 4760,8427.79 4950,8237.79 10075.94,8237.79 v2(10485,7828.73) ; v2(9690,7953.73) 9690,8237.72 ; v2(10715,8337.79) 10725,8327.79 12430,8327.79 12460.51,8358.3 12489.49,8358.3 12505,8342.79 14460.94,8342.79 v2(14895,7908.73) ; v2(14980,6893.73) v2(14980,7218.73)
  Bottom Layer w5: SW23.1@9360.08,6893.73 9310,6943.81 ; v2(9690,7953.73) 9630,7893.73 9630,7538.73 9310,7218.73 9310,6943.81 ; SW37.1@9735.08,6143.73 9585,6293.81 ; SW50.1@9925.08,5393.73 9830,5488.81 ; SW64.1@10300.08,4643.73 10135.08,4808.73 10015,4808.73 9830,4993.73 9830,5488.81 ; v2(10485,7828.73) 10485,8107.79 v2(10715,8337.79) ; v2(14895,7908.73) 14895,7303.73 v2(14980,7218.73) ; v2(14980,6893.73) SW78.1@14985.08,6893.73 ; 9310,6943.81 9310,6673.73 9585,6398.73 9585,6293.81 ; 9585,6293.81 9585,5863.73 9830,5618.73 9830,5488.81
C10: SW11.1 SW24.1 SW38.1 SW51.1 SW65.1 U1.14 | length 11903.1
  Top Layer w5: U1.14@4788.55,8531.57 4788.55,8429.23 4965,8252.79 10349.15,8252.79 ; v2(10110.08,6893.73) 10110.08,6783.65 10205,6688.73 v2(10540,6688.73) ; v2(10350,8137.79) 10350,8251.93 10349.15,8252.79 ; v2(11610,7828.73) 11185.94,8252.79 10349.15,8252.79
  Bottom Layer w5: v2(10110.08,6893.73) 10035,6968.81 10035,7228.73 10165,7358.73 10165,7753.73 10205,7793.73 10285,7793.73 10365,7873.73 10365,8122.79 v2(10350,8137.79) ; SW38.1@10485.08,6143.73 10425,6203.81 ; v2(10540,6688.73) 10520,6668.73 10520,6568.73 10425,6473.73 10425,6203.81 ; SW51.1@10675.08,5393.73 10580,5488.81 ; SW65.1@11050.08,4643.73 11050.08,4673.65 10580,5143.73 10580,5488.81 ; 10425,6203.81 10425,6053.73 10580,5898.73 10580,5488.81
C11: SW12.1 SW25.1 SW39.1 SW52.1 SW66.1 SW79.1 U1.15 | length 16237.5
  Top Layer w5: U1.15@4841.45,8531.58 5105.24,8267.79 11375,8267.79 ; v2(10860,6893.73) 10940,6973.73 11110,6973.73 11170,6913.73 11210,6913.73 11255,6868.73 11255,6773.73 v2(11310,6718.73) ; v2(11375,8197.79) 11375,8267.79 ; v2(12360,7828.73) 11920.94,8267.79 11375,8267.79 ; v2(12475,8337.79) 12485,8327.79 14425.94,8327.79 14930,7823.73 v2(14985,7823.73)
  Bottom Layer w5: SW39.1@11235.08,6143.73 11085,6293.81 ; v2(11310,6718.73) 11285,6718.73 ; v2(11375,8197.79) 11300,8122.79 11300,7208.73 11370,7138.73 11420,7138.73 11475,7083.73 11475,6928.73 11420,6873.73 11340,6873.73 11285,6818.73 11285,6718.73 ; SW66.1@11800.08,4643.73 11800.08,4673.65 11425.08,5048.65 SW52.1@11425.08,5393.73 11425.08,5558.65 11085,5898.73 11085,6293.81 ; SW12.1@12360.08,7828.73 12360,7828.81 12360,8222.79 v2(12475,8337.79) ; v2(14985,7823.73) 14985.08,7823.81 SW79.1@14985.08,7828.73 ; 11085,6293.81 11085,6398.73 11285,6598.73 11285,6718.73